# Altium PCB BRZ_BATT_MANAGER.PcbDoc (part 1 of 2)
Units mm, origin at the board's own origin, x right, y up, seen from the top; angles counter-clockwise.
Board outline 90 x 76 mm, 4 copper layers (Top Layer 1, Top Layer, Bottom Layer, Bottom Layer 1), stack 0.603 mm thick; 296 components, 218 nets, 937 pads, 36 vias.
Unrouted connection lines stored in the file: 468.
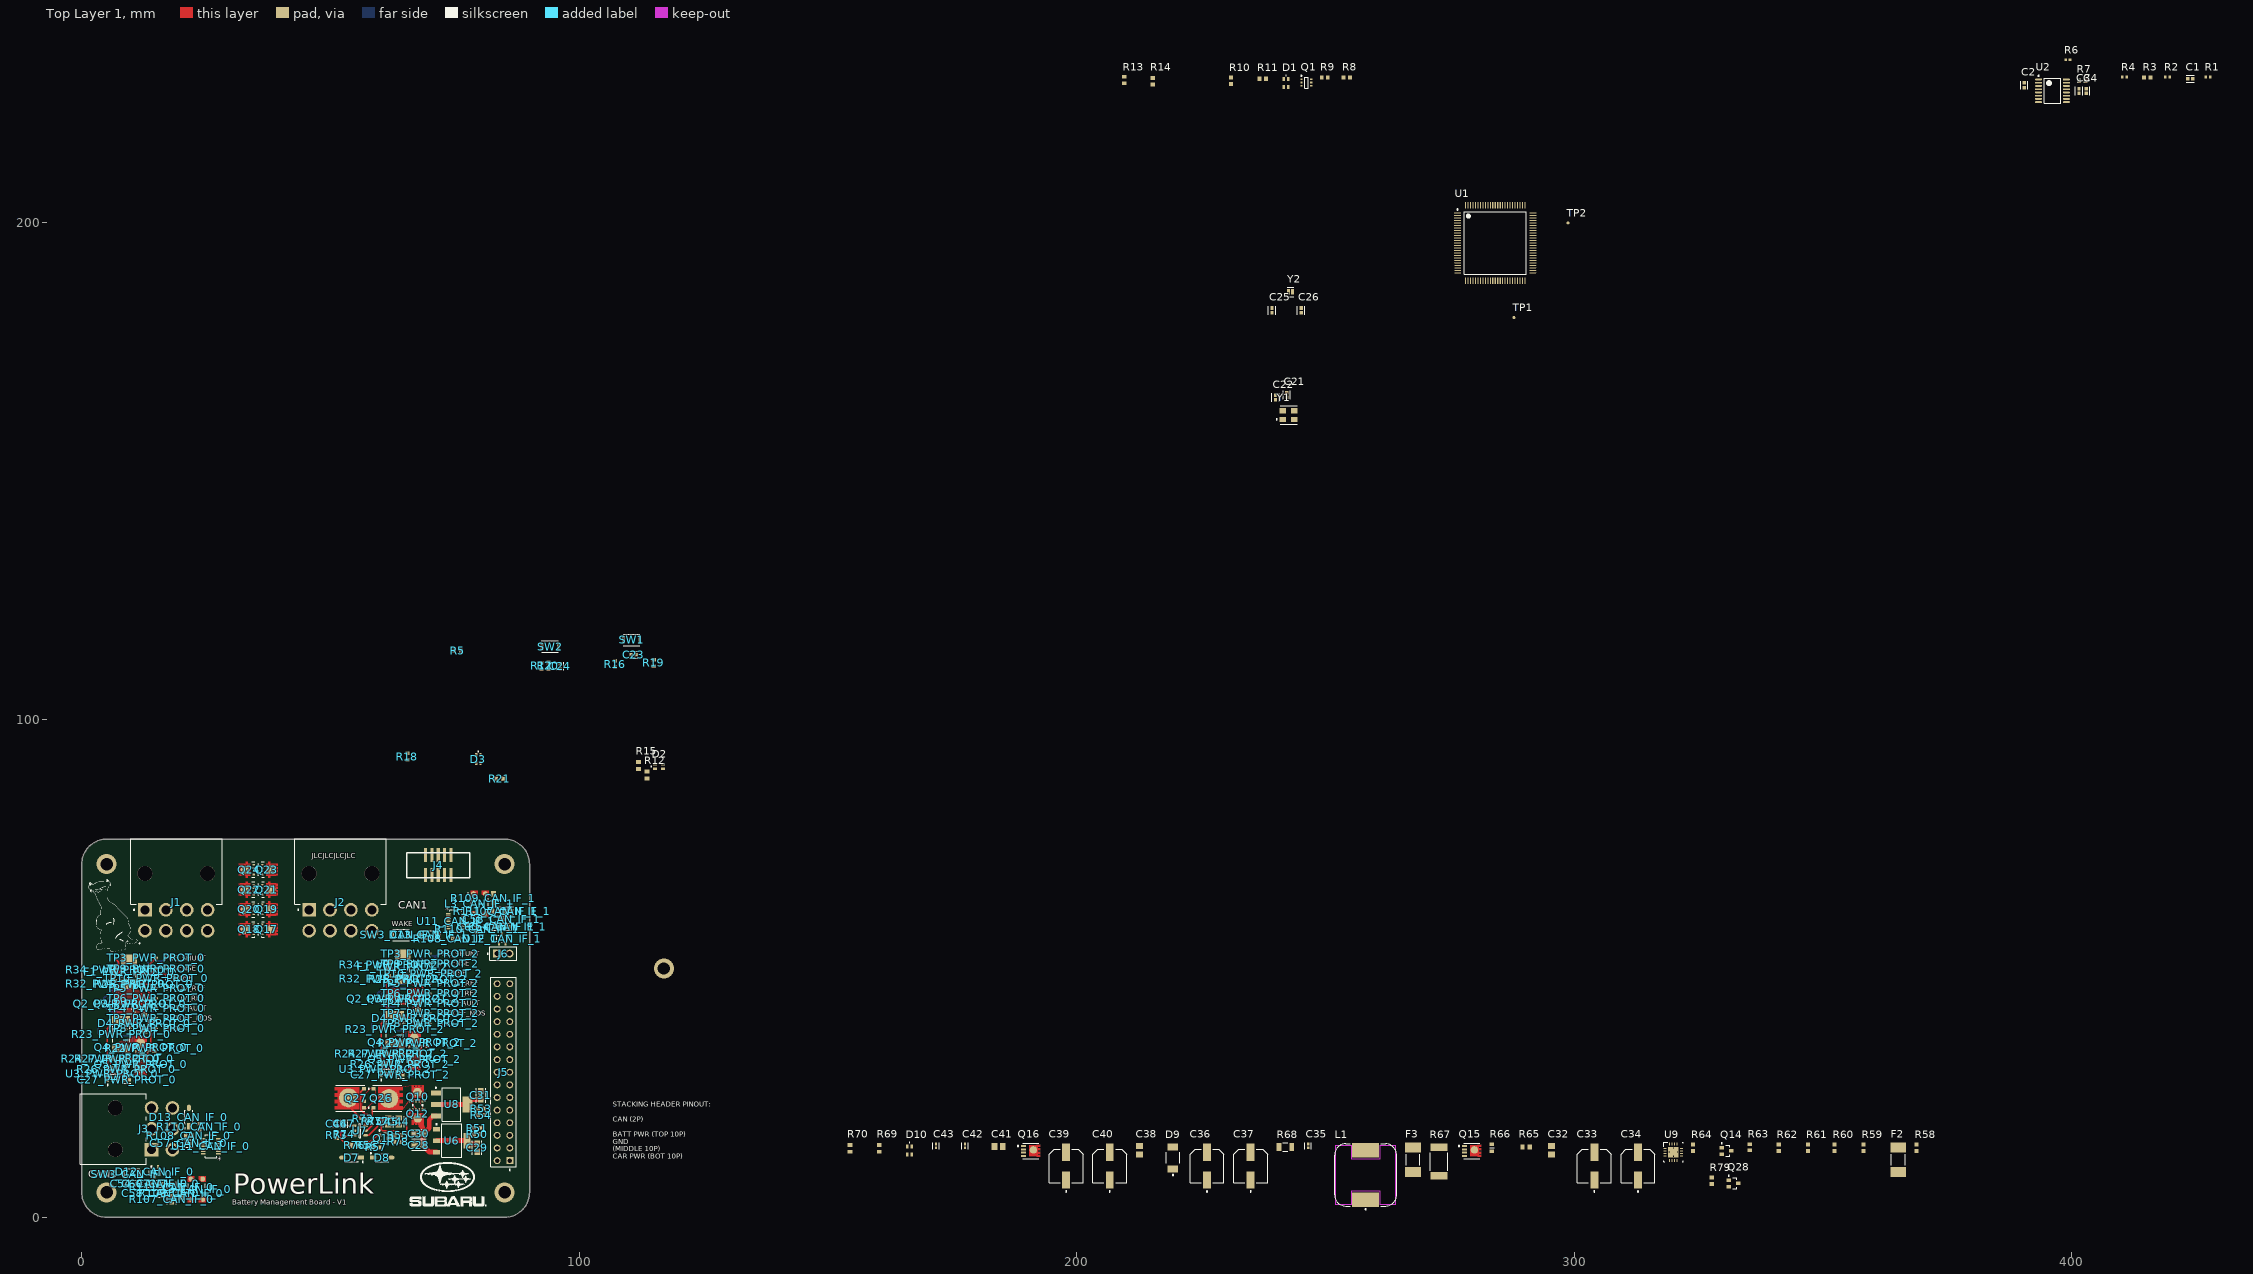
[diagram p0: Top Layer 1 view]
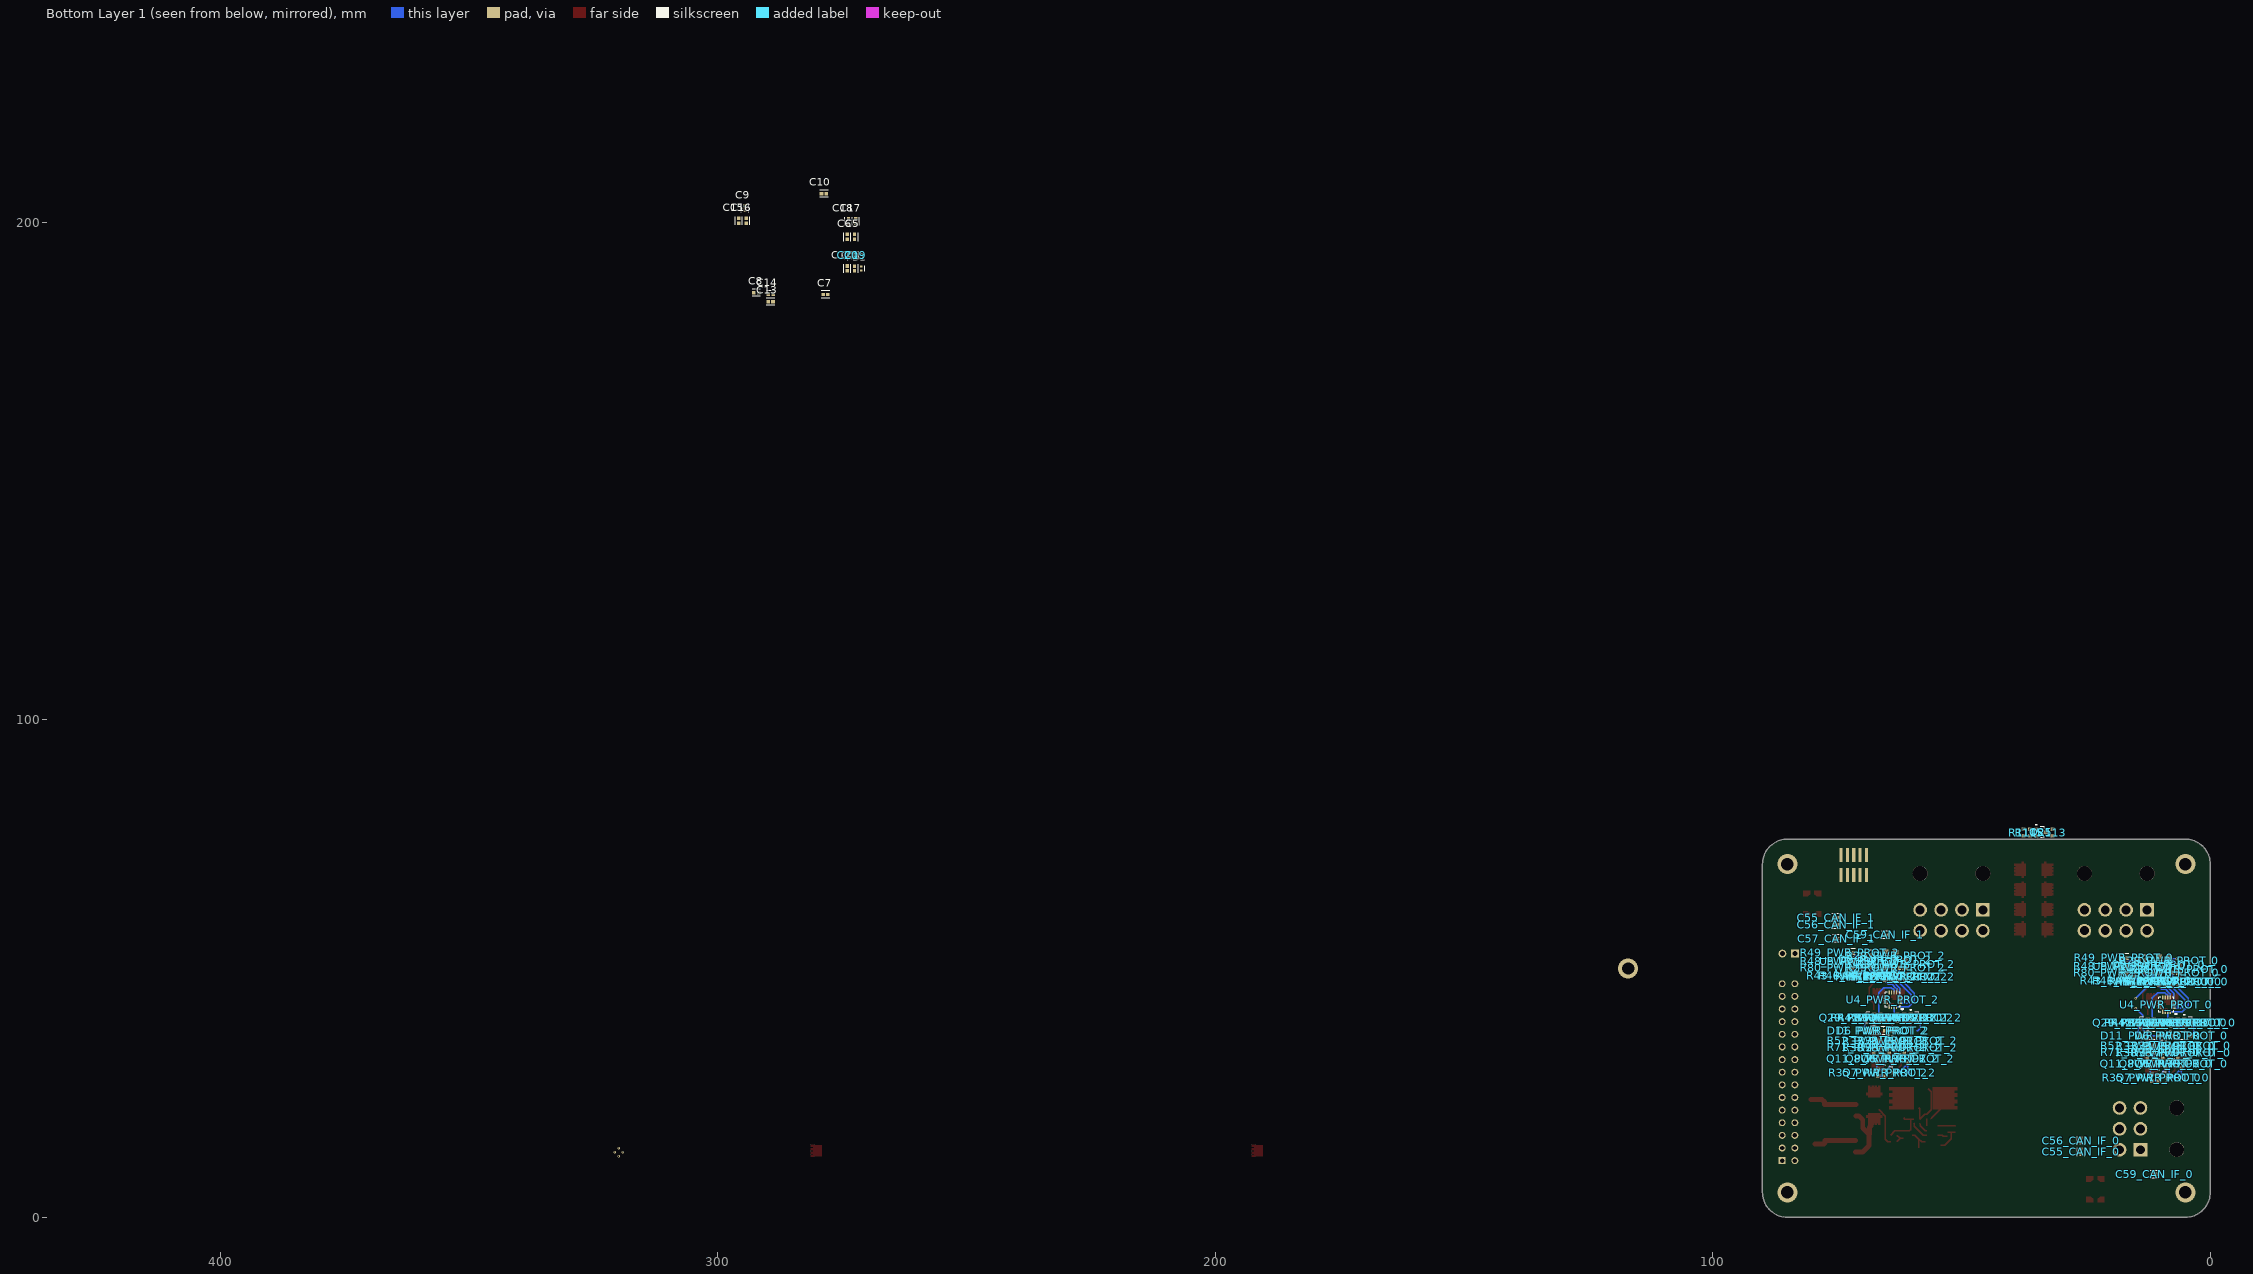
[diagram p1: Bottom Layer 1 view, seen from below]
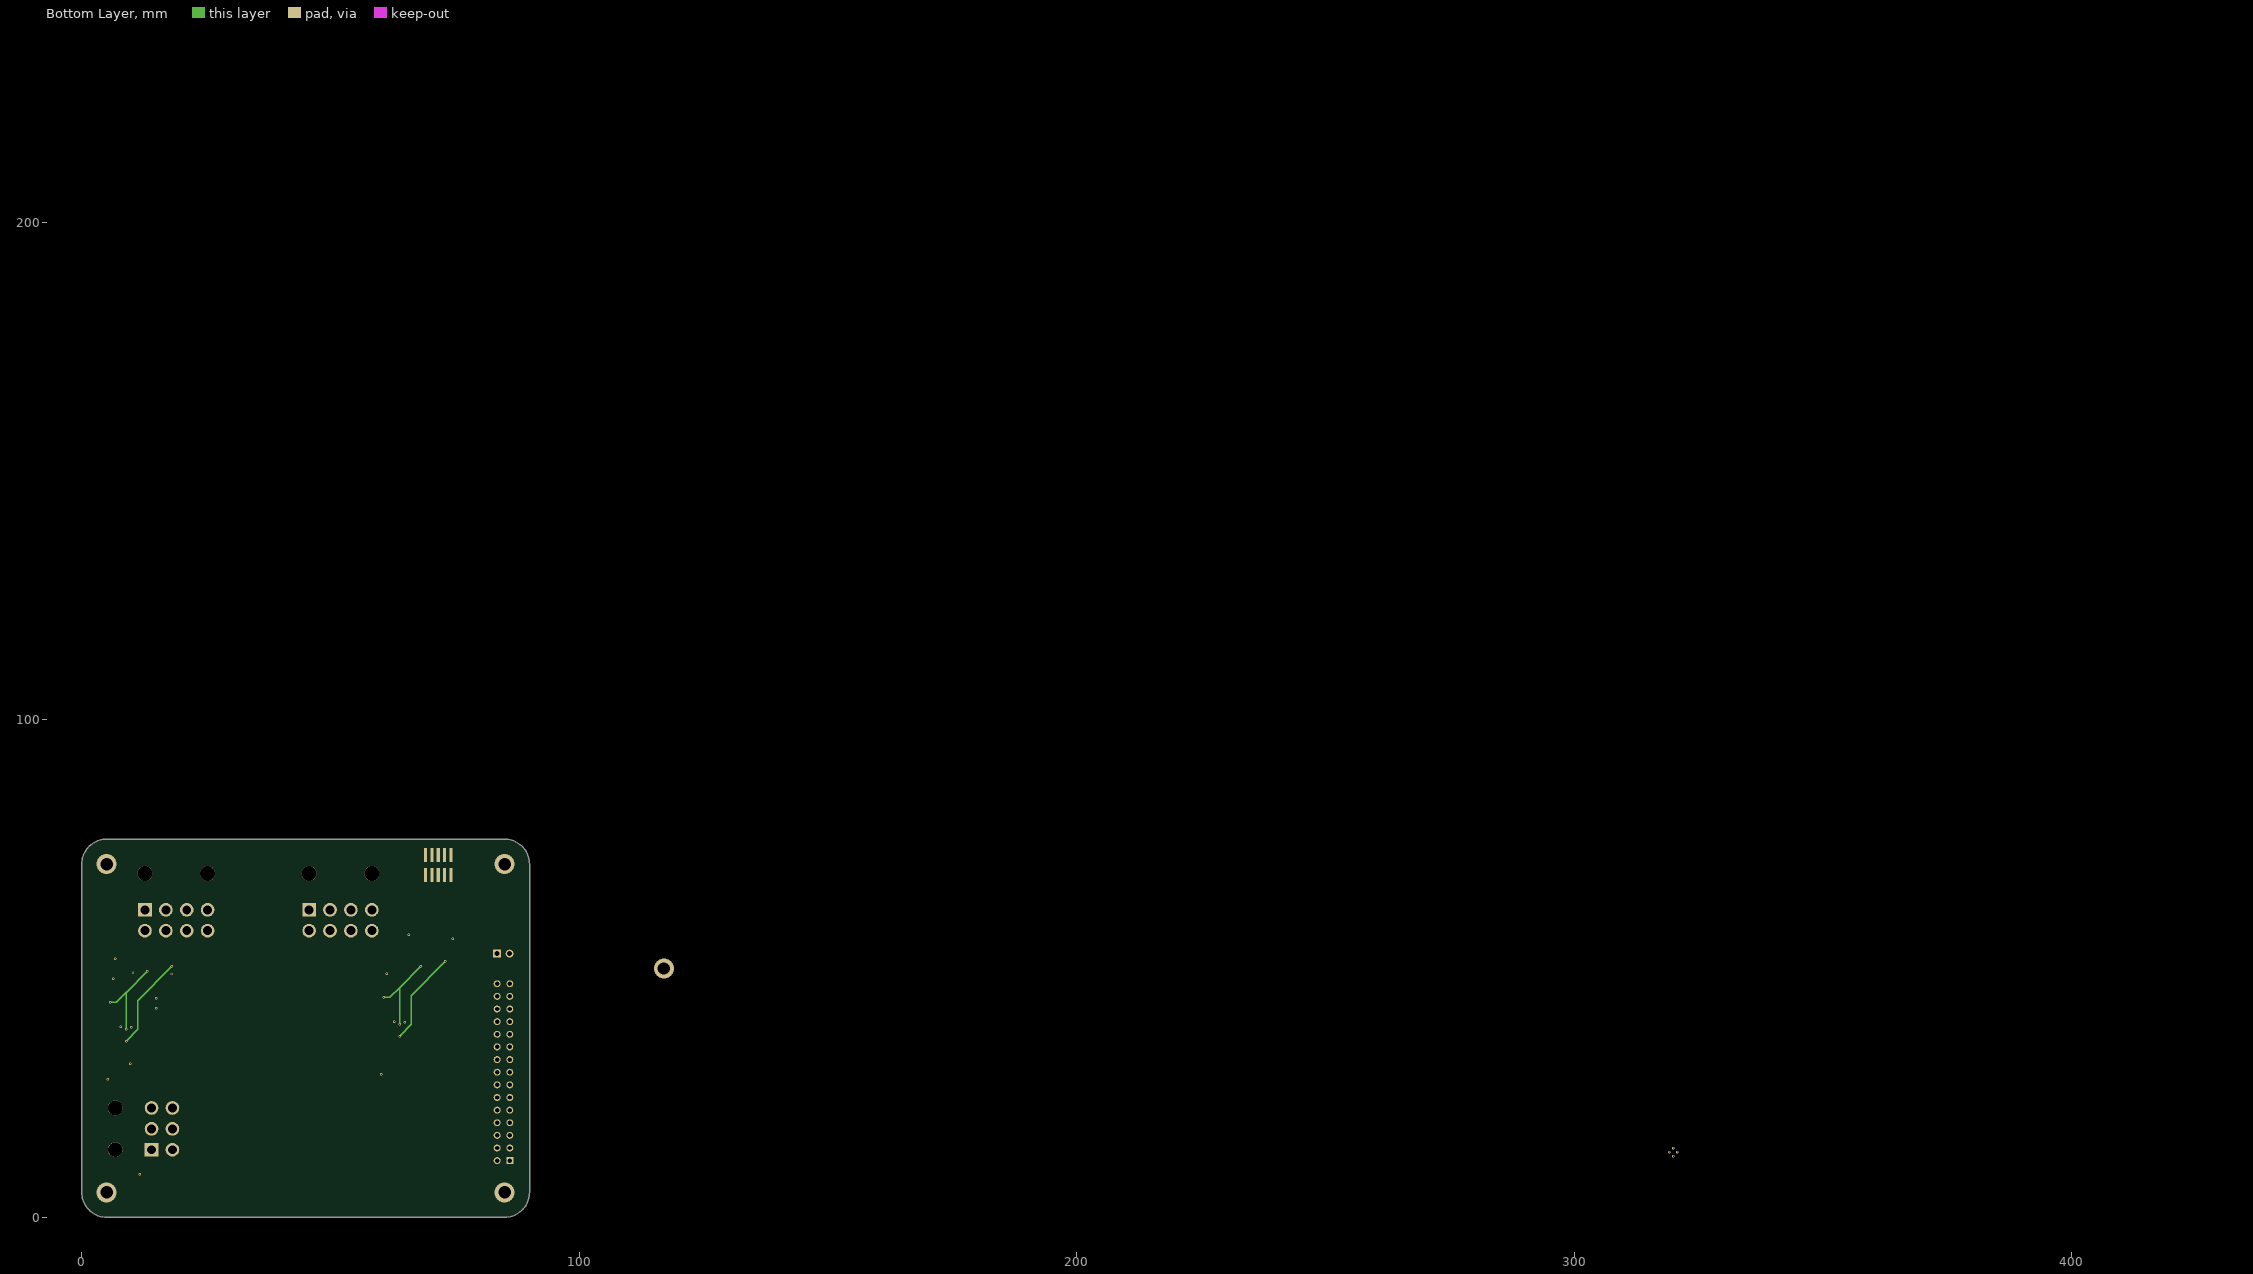
[diagram p2: Bottom Layer]

## Layer stack, top to bottom
Top Solder: solder mask 0.0102, Solder Resist, Dk 3.5
Top Layer 1: signal copper 0.035
Dielectric 2: prepreg 0.0711, PP-006, Dk 4.1
Top Layer: signal copper 0.0356
Dielectric 1: dielectric 0.32, FR-4, Dk 4.8
Bottom Layer: signal copper 0.0356
Dielectric 3: prepreg 0.0711, PP-006, Dk 4.1
Bottom Layer 1: signal copper 0.035
Bottom Solder: solder mask 0.0102, Solder Resist, Dk 3.5

## Board outline
0,5 0,71 cw(c5,71) 5,76 85,76 cw(c85,71) 90,71 90,5 cw(c85,5) 85,0 5,0 cw(c5,5)

## Design rules (kind name [scope] priority, off if disabled: settings)
BoardOutlineClearance [All] p1: gap=0.2 ignorepadtopadclearanceinfootprint=FALSE
Clearance [All] p1: gap=0.102 ignorepadtopadclearanceinfootprint=FALSE except(0.127: Arc-Via Track-Via SMDPad-Via THPad-Via Via-Via Via-Fill Via-Poly Via-Region Via-Text; 0.25: Arc-Hole Track-Hole SMDPad-Hole THPad-Hole Via-Hole Fill-Hole Poly-Hole Region-Hole Text-Hole)
ComponentClearance [All] p1: gap=0.102 collisioncheckmode=3 verticalgap=0.102 showdistances=TRUE
DiffPairsRouting [All] p1: maxlimit=0.102 minlimit=0.102 mostfreqgap=0.102 toplayer_minwidth=0.102 toplayer_maxwidth=1816.048 toplayer_prefwidth=0.102 midlayer1_minwidth=0.102 midlayer1_maxwidth=1816.048 midlayer1_prefwidth=0.102 midlayer2_minwidth=0.102 midlayer2_maxwidth=1816.048 midlayer2_prefwidth=0.102 bottomlayer_minwidth=0.102 bottomlayer_maxwidth=1816.048 bottomlayer_prefwidth=0.102 maxuncoupledlength=12.7
Height [All] p1: minheight=0 maxheight=1816.048 prefheight=12.7
HoleSize [All] p1: absolutevalues=TRUE maxlimit=6.3 minlimit=0.2 maxpercent=80.000 minpercent=20.000
HoleToHoleClearance [All] p1: gap=0.25 allowstackedmicrovias=FALSE
MinimumAnnularRing [All] p1: minimumring=0.076
MinimumSolderMaskSliver [All] p1: minsoldermaskwidth=0
PlaneClearance [All] p1: clearance=0.102
PlaneConnect PlaneConnectPowerPads [InPadClass('PowerPads')] p1: planeconnectstyle=Direct reliefexpansion=0.508 reliefentries=4 reliefconductorwidth=0.254 reliefairgap=0.254
PlaneConnect [All] p2: pad.planeconnectstyle=Relief pad.reliefexpansion=0.3 pad.reliefentries=4 pad.reliefconductorwidth=0.102 pad.reliefairgap=0.102 via.planeconnectstyle=Direct via.reliefexpansion=0.3 via.reliefentries=4 via.reliefconductorwidth=0.127 via.reliefairgap=0.127
PolygonConnect PolygonConnectPowerPads [All vs (InPadClass('PowerPads'))] p1: connectstyle=Direct reliefconductorwidth=0.254 reliefentries=4 polygonreliefangle="90 Angle" airgapwidth=0.254
PolygonConnect [All] p2: thpad.connectstyle=Relief thpad.reliefconductorwidth=0.102 thpad.reliefentries=4 thpad.polygonreliefangle="90 Angle" thpad.airgapwidth=0.102 smdpad.connectstyle=Relief smdpad.reliefconductorwidth=0.102 smdpad.reliefentries=4 smdpad.polygonreliefangle="90 Angle" smdpad.airgapwidth=0.102 via.connectstyle=Direct via.reliefconductorwidth=0.127 via.reliefentries=4 via.polygonreliefangle="90 Angle" via.airgapwidth=0.127
RoomDefinition CAN_IF_1 [InComponentClass('CAN_IF_1')] p1: confinementstyle=ConfineOut formatcopy=TRUE lockcomponents=FALSE outline 62,66 62,55 81,55 81,51 88,51 88,66
RoomDefinition INT_REG [InComponentClass('INT_REG')] p2: confinementstyle=ConfineIn formatcopy=TRUE lockcomponents=FALSE outline 50,10.447 82,10.447 82,27 50,27
RoomDefinition CAN_IF_0 [InComponentClass('CAN_IF_0')] p3: confinementstyle=ConfineIn formatcopy=TRUE lockcomponents=FALSE outline -1,2 29,2 29,26 -1,26
RoomDefinition PWR_PROT_2 [InComponentClass('PWR_PROT_2')] p4: confinementstyle=ConfineIn formatcopy=TRUE lockcomponents=FALSE outline 57,27 82,27 82,55 57,55
RoomDefinition PWR_PROT_0 [InComponentClass('PWR_PROT_0')] p5: confinementstyle=ConfineIn formatcopy=TRUE lockcomponents=FALSE outline 2,26 27,26 27,54 2,54
RoutingVias [All] p1: holewidth=0.2 width=0.45 viastyle="Through Hole" minholewidth=0.2 minwidth=0.45 maxholewidth=6.3 maxwidth=6.55
SilkToSilkClearance [All] p1: silktosilkclearance=0
SilkToSolderMaskClearance [IsPad] p1: minsilkscreentomaskgap=0.102 clearancetoexposedcopper=TRUE
SolderMaskExpansion [All] p1: expansion=0.075 istentingtop=FALSE
Width [All] p1: maxlimit=1816.048 minlimit=0.102 preferedwidth=0.102
20 further rules are at their usual default settings.

## Classes and differential pairs
component class START_JUMPER: Q17 Q18 Q19 Q20 Q21 Q22 Q23 Q24 Q25 R113 R114 R115
channel class PWR_PROT: PWR_PROT_0 PWR_PROT_2
channel class CAN_IF: CAN_IF_0 CAN_IF_1
net class 120DIFF: CAN_CAN_IF_0_N CAN_CAN_IF_0_P CAN_CAN_IF_1_N CAN_CAN_IF_1_P PRE_CAN1_CAN_IF_0_N PRE_CAN1_CAN_IF_0_P PRE_CAN1_CAN_IF_1_N PRE_CAN1_CAN_IF_1_P
component class PWR_PROT_2: C27_PWR_PROT_2 D4_PWR_PROT_2 D5_PWR_PROT_2 D6_PWR_PROT_2 D11_PWR_PROT_2 F1_PWR_PROT_2 Q2_PWR_PROT_2 Q3_PWR_PROT_2 Q4_PWR_PROT_2 Q5_PWR_PROT_2 Q6_PWR_PROT_2 Q7_PWR_PROT_2 Q8_PWR_PROT_2 Q9_PWR_PROT_2 Q11_PWR_PROT_2 Q29_PWR_PROT_2 R22_PWR_PROT_2 R23_PWR_PROT_2 R24_PWR_PROT_2 R25_PWR_PROT_2 R26_PWR_PROT_2 R27_PWR_PROT_2 R28_PWR_PROT_2 R29_PWR_PROT_2 R30_PWR_PROT_2 R31_PWR_PROT_2 R32_PWR_PROT_2 R33_PWR_PROT_2 R34_PWR_PROT_2 R35_PWR_PROT_2 R36_PWR_PROT_2 R37_PWR_PROT_2 R38_PWR_PROT_2 R39_PWR_PROT_2 R40_PWR_PROT_2 R41_PWR_PROT_2 R42_PWR_PROT_2 R43_PWR_PROT_2 R44_PWR_PROT_2 R45_PWR_PROT_2 R46_PWR_PROT_2 R47_PWR_PROT_2 R48_PWR_PROT_2 R49_PWR_PROT_2 R52_PWR_PROT_2 R71_PWR_PROT_2 R80_PWR_PROT_2 TP3_PWR_PROT_2 TP4_PWR_PROT_2 TP5_PWR_PROT_2 TP6_PWR_PROT_2 TP7_PWR_PROT_2 TP8_PWR_PROT_2 TP9_PWR_PROT_2 TP10_PWR_PROT_2 U3_PWR_PROT_2 U4_PWR_PROT_2 U5_PWR_PROT_2
component class PWR_PROT_0: C27_PWR_PROT_0 D4_PWR_PROT_0 D5_PWR_PROT_0 D6_PWR_PROT_0 D11_PWR_PROT_0 F1_PWR_PROT_0 Q2_PWR_PROT_0 Q3_PWR_PROT_0 Q4_PWR_PROT_0 Q5_PWR_PROT_0 Q6_PWR_PROT_0 Q7_PWR_PROT_0 Q8_PWR_PROT_0 Q9_PWR_PROT_0 Q11_PWR_PROT_0 Q29_PWR_PROT_0 R22_PWR_PROT_0 R23_PWR_PROT_0 R24_PWR_PROT_0 R25_PWR_PROT_0 R26_PWR_PROT_0 R27_PWR_PROT_0 R28_PWR_PROT_0 R29_PWR_PROT_0 R30_PWR_PROT_0 R31_PWR_PROT_0 R32_PWR_PROT_0 R33_PWR_PROT_0 R34_PWR_PROT_0 R35_PWR_PROT_0 R36_PWR_PROT_0 R37_PWR_PROT_0 R38_PWR_PROT_0 R39_PWR_PROT_0 R40_PWR_PROT_0 R41_PWR_PROT_0 R42_PWR_PROT_0 R43_PWR_PROT_0 R44_PWR_PROT_0 R45_PWR_PROT_0 R46_PWR_PROT_0 R47_PWR_PROT_0 R48_PWR_PROT_0 R49_PWR_PROT_0 R52_PWR_PROT_0 R71_PWR_PROT_0 R80_PWR_PROT_0 TP3_PWR_PROT_0 TP4_PWR_PROT_0 TP5_PWR_PROT_0 TP6_PWR_PROT_0 TP7_PWR_PROT_0 TP8_PWR_PROT_0 TP9_PWR_PROT_0 TP10_PWR_PROT_0 U3_PWR_PROT_0 U4_PWR_PROT_0 U5_PWR_PROT_0
component class MCU: C1 C2 C3 C4 C5 C6 C7 C8 C9 C10 C11 C12 C13 C14 C15 C16 C17 C18 C19 C20 C21 C22 C23 C24 C25 C26 D1 D2 D3 FB1 J4 Q1 R1 R2 R3 R4 R5 R6 R7 R8 R9 R10 R11 R12 R13 R14 R15 R16 R17 R18 R19 R20 R21 SW1 SW2 TP1 TP2 U1 U2 Y1 Y2
component class INT_REG: C28 C29 C30 C31 C44 C45 C46 C47 D7 D8 Q10 Q12 Q13 Q26 Q27 R50 R51 R53 R54 R55 R56 R57 R72 R73 R74 R75 R76 R77 R78 U6 U7 U8
component class CAN_IF_1: C54_CAN_IF_1 C55_CAN_IF_1 C56_CAN_IF_1 C57_CAN_IF_1 C58_CAN_IF_1 C59_CAN_IF_1 C60_CAN_IF_1 D12_CAN_IF_1 D13_CAN_IF_1 L3_CAN_IF_1 R107_CAN_IF_1 R108_CAN_IF_1 R109_CAN_IF_1 R110_CAN_IF_1 R111_CAN_IF_1 SW3_CAN_IF_1 U11_CAN_IF_1
component class CAN_IF_0: C54_CAN_IF_0 C55_CAN_IF_0 C56_CAN_IF_0 C57_CAN_IF_0 C58_CAN_IF_0 C59_CAN_IF_0 C60_CAN_IF_0 D12_CAN_IF_0 D13_CAN_IF_0 L3_CAN_IF_0 R107_CAN_IF_0 R108_CAN_IF_0 R109_CAN_IF_0 R110_CAN_IF_0 R111_CAN_IF_0 SW3_CAN_IF_0 U11_CAN_IF_0
component class BRZ_BATT_MGR: J1 J2 J3 J5 J6
component class BATT_CHG: C32 C33 C34 C35 C36 C37 C38 C39 C40 C41 C42 C43 D9 D10 F2 F3 L1 Q14 Q15 Q16 Q28 R58 R59 R60 R61 R62 R63 R64 R65 R66 R67 R68 R69 R70 R79 U9
differential pair CAN_CAN_IF_1: +CAN_CAN_IF_1_P -CAN_CAN_IF_1_N
differential pair CAN_CAN_IF_0: +CAN_CAN_IF_0_P -CAN_CAN_IF_0_N
differential pair X: +X_P -X_N
differential pair X32: +X32_P -X32_N
differential pair PRE_CAN1_CAN_IF_1: +PRE_CAN1_CAN_IF_1_P -PRE_CAN1_CAN_IF_1_N
differential pair PRE_CAN1_CAN_IF_0: +PRE_CAN1_CAN_IF_0_P -PRE_CAN1_CAN_IF_0_N

## Components (designator, comment, footprint, x,y, rotation, side; value= is the part's Value field where it differs from the comment)
C1 "100n 10v" FP-0402-L_1_0_0_05-W_0_5-IPC_A 423.816,228.844 r0 top
C2 "100n 10v" FP-0402-L_1_0_0_05-W_0_5-IPC_A 390.45,227.55 r270 top
C3 "100n 10v" FP-0402-L_1_0_0_05-W_0_5-IPC_A 401.45,226.375 r270 top
C4 "100n 10v" FP-0402-L_1_0_0_05-W_0_5-IPC_A 402.925,226.375 r270 top
C5 "4.7u 10v" FP-0402-L_1_0_0_05-W_0_5-IPC_A 272.5,197.075 r90 bottom
C6 "100n 10v" FP-0402-L_1_0_0_05-W_0_5-IPC_A 273.975,197.075 r90 bottom
C7 "100n 10v" FP-0402-L_1_0_0_05-W_0_5-IPC_A 278.35,185.5 r180 bottom
C8 "100n 10v" FP-0402-L_1_0_0_05-W_0_5-IPC_A 292.25,185.825 r180 bottom
C9 "100n 10v" FP-0402-L_1_0_0_05-W_0_5-IPC_A 294.525,202.875 r90 bottom
C10 "100n 10v" FP-0402-L_1_0_0_05-W_0_5-IPC_A 278.675,205.75 r0 bottom
C11 "1u 10v" FP-0402-L_1_0_0_05-W_0_5-IPC_A 272.5,190.725 r270 bottom
C12 "100n 10v" FP-0402-L_1_0_0_05-W_0_5-IPC_A 273.967,190.735 r270 bottom
C13 "2.2u 10v" FP-0402-L_1_0_0_05-W_0_5-IPC_A 289.375,184.025 r0 bottom
C14 "100n 10v" FP-0402-L_1_0_0_05-W_0_5-IPC_A 289.365,185.505 r0 bottom
C15 "2.2u 10v" FP-0402-L_1_0_0_05-W_0_5-IPC_A 295.775,200.3 r270 bottom
C16 "100n 10v" FP-0402-L_1_0_0_05-W_0_5-IPC_A 294.3,200.3 r270 bottom
C17 "1u 10v" FP-0402-L_1_0_0_05-W_0_5-IPC_A 272.25,200.2 r90 bottom
C18 "100n 10v" FP-0402-L_1_0_0_05-W_0_5-IPC_A 273.725,200.2 r90 bottom
C19 "1u 10v" FP-0402-L_1_0_0_05-W_0_5-IPC_A 272.275,193.35 r90 bottom
C20 "100n 10v" FP-0402-L_1_0_0_05-W_0_5-IPC_A 273.75,193.35 r90 bottom
C21 "6.8p 10v" FP-0402-L_1_0_0_05-W_0_5-IPC_A 242.2,165.296 r90 top
C22 "6.8p 10v" FP-0402-L_1_0_0_05-W_0_5-IPC_A 239.95,164.796 r90 top
C23 "100n 10v" FP-0402-L_1_0_0_05-W_0_5-IPC_A 110.95,113.075 r180 top
C24 "100n 10v" FP-0402-L_1_0_0_05-W_0_5-IPC_A 96.175,110.779 r90 top
C25 "18pf 10v" FP-0402-L_1_0_0_05-W_0_5-IPC_A 239.252,182.29 r90 top
C26 "18pf 10v" FP-0402-L_1_0_0_05-W_0_5-IPC_A 245.094,182.29 r90 top
C27_PWR_PROT_0 "GRM188R71H104KA93D" FP-0402-L_1_0_0_05-W_0_5-IPC_A 9.025,27.675 r0 top (schematic designator C27)
C27_PWR_PROT_2 "GRM188R71H104KA93D" FP-0402-L_1_0_0_05-W_0_5-IPC_A 64.025,28.675 r0 top (schematic designator C27)
C28 "GRM188R61E106KA73D" FP-GRM188-0_2-IPC_A 67.748,14.447 r180 top
C29 "GRM188R61E106KA73D" FP-GRM188-0_2-IPC_A 79.45,13.975 r270 top
C30 "GRM188R61E106KA73D" FP-GRM188-0_2-IPC_A 67.747,16.747 r180 top
C31 "GRM188R61E106KA73D" FP-GRM188-0_2-IPC_A 80.25,24.499 r90 top
C32 "GRM216R61E105KA12D" CAPC2013X70X45NL10T25 295.404,13.466 r90 top
C33 "50SVPF10M" FP-OS-CON-SMT-C6-MFG 304.04,10.291 r90 top
C34 "50SVPF10M" FP-OS-CON-SMT-C6-MFG 312.803,10.291 r90 top
C35 "CL05A104KA5NNNC" FP-CL278-IPC_C 246.509,14.355 r90 top
C36 "50SVPF10M" FP-OS-CON-SMT-C6-MFG 226.189,10.291 r90 top
C37 "50SVPF10M" FP-OS-CON-SMT-C6-MFG 234.952,10.291 r90 top
C38 "GRM216R61E105KA12D" CAPC2013X70X45NL10T25 212.6,13.466 r90 top
C39 "50SVPF10M" FP-OS-CON-SMT-C6-MFG 197.868,10.291 r90 top
C40 "50SVPF10M" FP-OS-CON-SMT-C6-MFG 206.631,10.291 r90 top
C41 "GRM216R61E105KA12D" CAPC2013X70X45NL10T25 184.279,14.228 r0 top
C42 "CL05A104KA5NNNC" FP-CL278-IPC_C 177.548,14.355 r90 top
C43 "CL05A104KA5NNNC" FP-CL278-IPC_C 171.706,14.355 r90 top
C44 "DNO (0805 CAP)" FP-C0805C-DN-MFG 63.729,19.225 r270 top value="0.22 μF"
C45 "DNO (0805 CAP)" FP-C0805C-DN-MFG 61.629,19.225 r270 top value="0.22 μF"
C46 "100n 25v" FP-0402-L_1_0_0_05-W_0_5-IPC_A 51.273,18.802 r90 top
C47 "100n 25v" FP-0402-L_1_0_0_05-W_0_5-IPC_A 52.756,18.799 r90 top
C54_CAN_IF_0 "6.6p 10v" FP-0402-L_1_0_0_05-W_0_5-IPC_A 13.525,6.725 r180 top (schematic designator C54)
C54_CAN_IF_1 "6.6p 10v" FP-0402-L_1_0_0_05-W_0_5-IPC_A 85.625,58.4 r0 top (schematic designator C54)
C55_CAN_IF_0 "100n 10v" FP-0402-L_1_0_0_05-W_0_5-IPC_A 25.975,13.146 r270 bottom (schematic designator C55)
C55_CAN_IF_1 "100n 10v" FP-0402-L_1_0_0_05-W_0_5-IPC_A 75.225,60.25 r0 bottom (schematic designator C55)
C56_CAN_IF_0 "100n 10v" FP-0402-L_1_0_0_05-W_0_5-IPC_A 25.975,15.425 r90 bottom (schematic designator C56)
C56_CAN_IF_1 "100n 10v" FP-0402-L_1_0_0_05-W_0_5-IPC_A 75.225,58.775 r0 bottom (schematic designator C56)
C57_CAN_IF_0 "100n 10v" FP-0402-L_1_0_0_05-W_0_5-IPC_A 21.525,14.85 r180 top (schematic designator C57)
C57_CAN_IF_1 "100n 10v" FP-0402-L_1_0_0_05-W_0_5-IPC_A 75.05,56.025 r0 bottom (schematic designator C57)
C58_CAN_IF_0 "100n 10v" FP-0402-L_1_0_0_05-W_0_5-IPC_A 15.85,4.8 r180 top (schematic designator C58)
C58_CAN_IF_1 "100n 10v" FP-0402-L_1_0_0_05-W_0_5-IPC_A 84.45,59.875 r180 top (schematic designator C58)
C59_CAN_IF_0 "100n 10v" FP-0402-L_1_0_0_05-W_0_5-IPC_A 11.196,8.625 r180 bottom (schematic designator C59)
C59_CAN_IF_1 "100n 10v" FP-0402-L_1_0_0_05-W_0_5-IPC_A 65.296,56.75 r180 bottom (schematic designator C59)
C60_CAN_IF_0 "6.6p 10v" FP-0402-L_1_0_0_05-W_0_5-IPC_A 15.85,6.725 r180 top (schematic designator C60)
C60_CAN_IF_1 "6.6p 10v" FP-0402-L_1_0_0_05-W_0_5-IPC_A 83.35,58.4 r0 top (schematic designator C60)
D1 "150066RG54050" WL-SBCD_0606 242.079,227.955 r0 top
D2 "150066RG54050" WL-SBCD_0606 116.025,90.625 r90 top
D3 "150066RG54050" WL-SBCD_0606 79.699,92.105 r0 top
D4_PWR_PROT_0 "MMSZ5242BT1G" ONSC-SOD-123-2-425-04_V 12.6,39.05 r90 top (schematic designator D4)
D4_PWR_PROT_2 "MMSZ5242BT1G" ONSC-SOD-123-2-425-04_V 67.6,40.05 r90 top (schematic designator D4)
D5_PWR_PROT_0 "MMSZ4683T1G" ONSC-SOD-123-2-425-04_V 10.3,50.775 r90 bottom (schematic designator D5)
D5_PWR_PROT_2 "MMSZ4683T1G" ONSC-SOD-123-2-425-04_V 65.3,51.775 r90 bottom (schematic designator D5)
D6_PWR_PROT_0 "1N4148W-TP" FP-SOD-123-IPC_A 5.794,36.488 r180 bottom (schematic designator D6)
D6_PWR_PROT_2 "1N4148W-TP" FP-SOD-123-IPC_A 65.794,37.488 r180 bottom (schematic designator D6)
D7 "1N4148W-TP" FP-SOD-123-IPC_A 54.227,11.997 r180 top
D8 "1N4148W-TP" FP-SOD-123-IPC_A 60.377,11.997 r0 top
D9 "PMEG3050EP,115" FP-SOD128-MFG 219.331,11.942 r90 top
D10 "150066RG54050" WL-SBCD_0606 166.372,13.466 r0 top
D11_PWR_PROT_0 "1N4148W-TP" FP-SOD-123-IPC_A 11.969,36.488 r0 bottom (schematic designator D11)
D11_PWR_PROT_2 "1N4148W-TP" FP-SOD-123-IPC_A 66.969,37.488 r0 bottom (schematic designator D11)
D12_CAN_IF_0 "ESDCAN02-2BWY" FP-SOT323-3L-MFG 14.675,9.125 r270 top value=3pF (schematic designator D12)
D12_CAN_IF_1 "ESDCAN02-2BWY" FP-SOT323-3L-MFG 84.5,56 r90 top value=3pF (schematic designator D12)
D13_CAN_IF_0 "1N4148W-TP" FP-SOD-123-IPC_A 21.55,20.15 r90 top (schematic designator D13)
D13_CAN_IF_1 "1N4148W-TP" FP-SOD-123-IPC_A 69.725,56.8 r180 top (schematic designator D13)
F1_PWR_PROT_0 "0679L9100-05" FP-0679L-MFG 9.5,49.35 r270 top value=0.0038Ω (schematic designator F1)
F1_PWR_PROT_2 "0679L9100-05" FP-0679L-MFG 64.5,50.35 r270 top value=0.0038Ω (schematic designator F1)
F2 "0679L9100-05" FP-0679L-MFG 365.127,11.561 r90 top value=0.0038Ω
F3 "0679L9100-05" FP-0679L-MFG 267.591,11.561 r90 top value=0.0038Ω
FB1 "BLM15PX601SN1D" FP-BLM15-0_05-MFG 271.125,190.7 r90 bottom
J1 "45586-0005" FP-45586-0005-MFG 19,69.3 r0 top
J2 "45586-0005" FP-45586-0005-MFG 52,69.3 r0 top
J3 "455580003" FP-455580003-MFG 6.525,17.775 r90 top
J4 "HYDRA_PROGRAMMING_HEADER" 3220-10-0300-00-Footprint-1 74.2,68.775 r180 top
J5 "6-534206-5" FP-6-534206-5-MFG 84.77,29.16 r90 top
J6 "TSW-102-07-L-S" FP-TSW-102-07-L-S-MFG 84.73,53 r0 top
L1 "744770015" WE-PD_1280 258.066,8.513 r0 top
L3_CAN_IF_0 "SRF4532-510Y" FP-SRF4532-MFG 23.075,5.65 r90 top (schematic designator L3)
L3_CAN_IF_1 "SRF4532-510Y" FP-SRF4532-MFG 80,63 r270 top (schematic designator L3)
Q1 "BSS84AKS,115" NXP-SOT363_L 246.143,228.082 r0 top
Q2_PWR_PROT_0 "SISH615ADN-T1-GE3" SISH615ADN-T1-GE3-Footprint-1#1 7.587,43.35 r0 top (schematic designator Q2)
Q2_PWR_PROT_2 "SISH615ADN-T1-GE3" SISH615ADN-T1-GE3-Footprint-1#1 62.587,44.35 r0 top (schematic designator Q2)
Q3_PWR_PROT_0 "SISH615ADN-T1-GE3" SISH615ADN-T1-GE3-Footprint-1#1 11.587,43.35 r0 top (schematic designator Q3)
Q3_PWR_PROT_2 "SISH615ADN-T1-GE3" SISH615ADN-T1-GE3-Footprint-1#1 66.587,44.35 r0 top (schematic designator Q3)
Q4_PWR_PROT_0 "SISH615ADN-T1-GE3" SISH615ADN-T1-GE3-Footprint-1#2 11.812,34.728 r0 top (schematic designator Q4)
Q4_PWR_PROT_2 "SISH615ADN-T1-GE3" SISH615ADN-T1-GE3-Footprint-1#2 66.813,35.728 r0 top (schematic designator Q4)
Q5_PWR_PROT_0 "SISH615ADN-T1-GE3" SISH615ADN-T1-GE3-Footprint-1#2 11.887,30.228 r180 top (schematic designator Q5)